# Altium PCB ISS_LAB_PCB.PcbDoc (part 5 of 8)
Units mm, origin at the board's own origin, x right, y up, seen from the top; angles counter-clockwise.
Board outline 247.67 x 135.97 mm, 2 copper layers (Top Layer, Bottom Layer); 165 components, 0 nets, 6045 pads, 3214 vias.
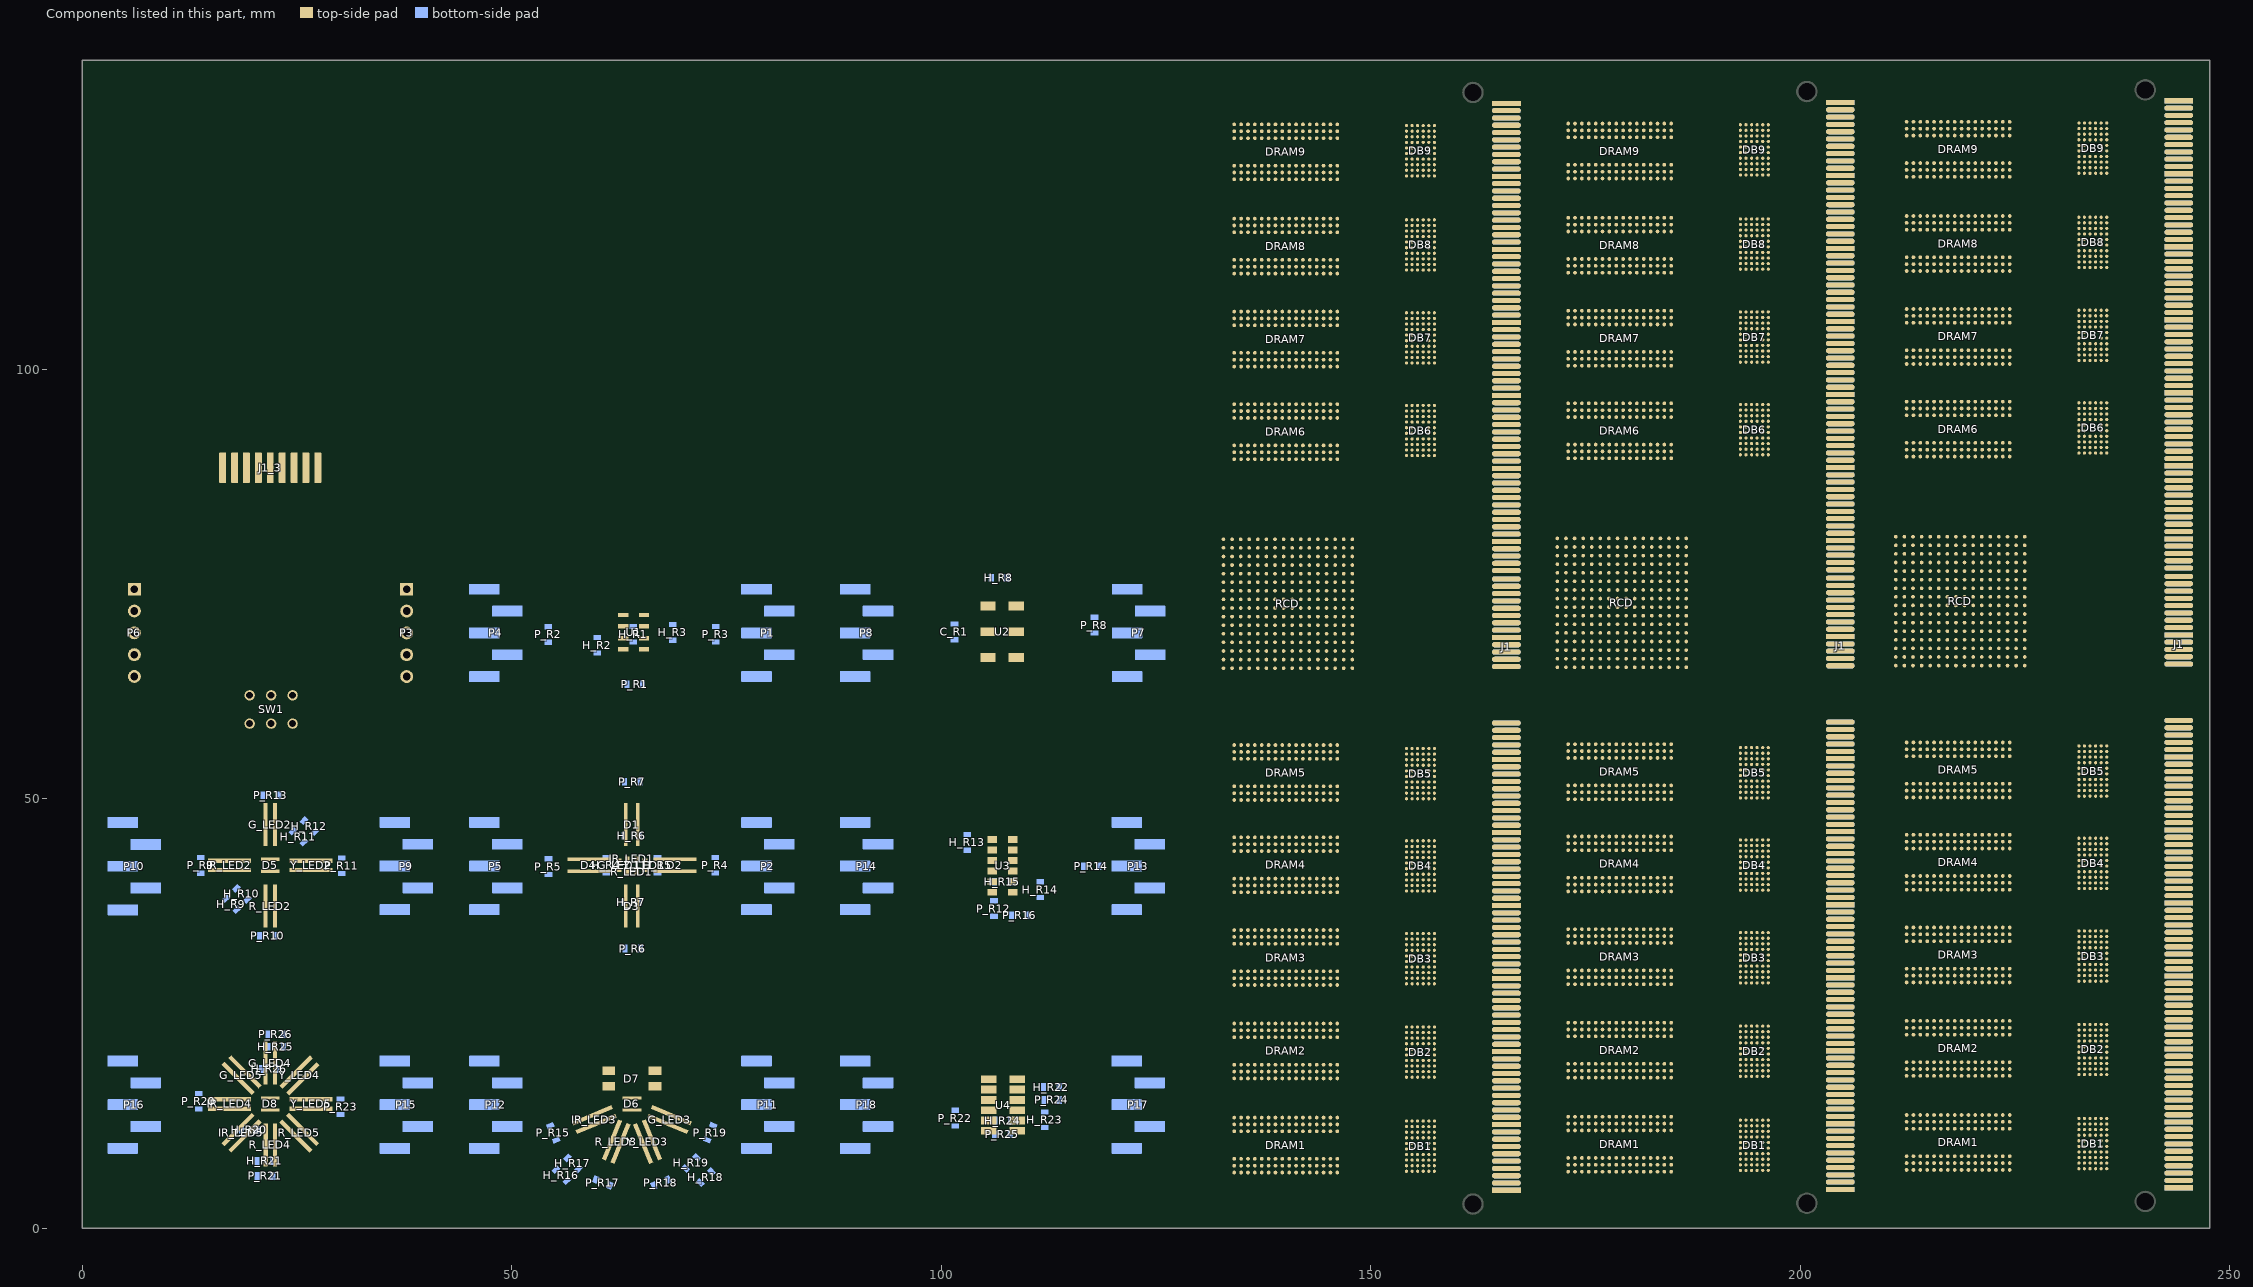
[diagram p5: the components of this part, seen from the top]

## Via types
v1: diameter 0.45, hole 0.203, Top Layer to Bottom Layer, 2685 vias
v2: diameter 1, hole 0.6, Top Layer to Bottom Layer, tented both sides, 414 vias
v3: diameter 0.6, hole 0.3, Top Layer to Bottom Layer, 52 vias
v4: diameter 0.6, hole 0.3, Top Layer to Bottom Layer, tented top, 33 vias
v5: diameter 0.8, hole 0.4, Top Layer to Bottom Layer, 21 vias
v6: diameter 3.5, hole 3.1, Top Layer to Bottom Layer, 3 vias
v7: diameter 2, hole 1.6, Top Layer to Bottom Layer, 3 vias
v8: diameter 1, hole 0.5, Top Layer to Bottom Layer, 3 vias

## Nets (pads, with @x,y where several pads share a name; then routed paths per layer and width w, separated by ;. In a path a pad name is that pad's centre, name@x,y a point inside that pad or via, vN(x,y) a via of type N, cw(c..) or ccw(c..) an arc to the next point about the centre after c; other vN are vias at no path point) (continued)
copper on no net: (continued)
  Top Layer w0.089: 186.731,70.29 187.445,70.29 v1(194.154,63.581) ; 186.731,71.29 187.073,71.632 189.048,71.632 194.059,76.643 204.67,76.643 ; 186.731,72.29 187.421,72.29 v1(187.449,72.318) ; 186.731,73.29 187.151,73.29 187.423,73.563 187.423,73.715 v1(187.449,73.741) ; 186.731,74.29 187.373,74.932 187.373,75.519 v1(187.398,75.544) ; 186.731,75.29 186.731,75.715 187.347,76.331 187.347,77.5 v1(187.322,77.525) ; v1(186.915,9.047) 187.295,8.667 193.038,8.667 ; v1(186.915,19.994) 187.291,19.619 193.038,19.619 ; v1(186.915,22.89) 186.936,22.869 193.038,22.869 ; v1(186.941,41.787) 187.437,41.291 193.038,41.291 ; v1(186.941,52.481) 187.388,52.034 193.038,52.034 ; v1(186.941,128.122) 192.717,128.122 193.038,127.801 ; v1(186.966,23.55) 186.997,23.519 193.038,23.519 ; v1(186.966,30.916) 187.386,30.496 193.038,30.496 ; v1(186.966,33.736) 186.971,33.741 193.033,33.741 193.038,33.746 ; v1(186.966,102.925) 187.132,102.759 193.038,102.759 ; v1(186.966,124.541) 186.977,124.551 193.038,124.551 ; v1(186.966,128.757) 187.272,128.451 193.038,128.451 ; v1(186.992,34.421) 187.004,34.409 193.025,34.409 193.038,34.396 ; v1(186.992,55.275) 186.996,55.279 193.033,55.279 193.038,55.284 ; v1(186.992,55.935) 186.993,55.934 193.038,55.934 ; v1(186.992,95.254) 187.004,95.242 193.025,95.242 193.038,95.229 ; v1(186.992,95.889) 187.002,95.879 193.038,95.879 ; v1(186.992,105.973) 187.027,106.009 193.038,106.009 ; v1(186.992,113.593) 187.001,113.584 193.038,113.584 ; v1(186.992,117.022) 187.18,116.834 193.038,116.834 ; v1(187.017,117.606) 187.139,117.484 193.038,117.484 ; v1(187.042,92.079) 187.143,91.979 193.038,91.979 ; v1(187.042,106.634) 187.055,106.646 193.025,106.646 193.038,106.659 ; v1(187.068,44.165) v1@187.093,44.19 ; v1(187.119,116.006) 187.14,116.006 187.318,116.184 193.038,116.184 ; v1(187.195,94.365) 187.408,94.579 193.038,94.579 ; v1(187.22,105.16) 187.419,105.359 193.038,105.359 ; v1(187.296,126.979) 187.468,127.151 193.038,127.151 ; v1(187.423,11.282) 187.438,11.267 193.038,11.267 ; v1(187.5,43.743) 187.561,43.743 187.709,43.891 193.038,43.891 ; v1(187.5,115.549) 187.515,115.534 193.038,115.534 ; v1(187.55,104.729) 187.57,104.709 193.038,104.709 ; v1(187.576,54.36) 187.849,54.634 193.038,54.634 ; v1(187.576,93.934) 187.58,93.929 193.038,93.929 ; v1(187.703,126.496) 187.707,126.501 193.038,126.501 ; v1(187.728,32.923) 187.901,33.096 193.038,33.096 ; v1(187.804,21.772) 188.251,22.219 193.038,22.219 ; v1(187.931,53.954) 187.961,53.984 193.038,53.984 ; v1(187.957,43.286) 187.979,43.264 193.015,43.264 193.038,43.241 ; v1(188.109,32.415) 188.125,32.43 193.022,32.43 193.038,32.446 ; v1(188.16,21.29) 188.439,21.569 193.038,21.569 ; v1(188.389,76.052) 194.08,81.743 204.67,81.743 ; v1(188.414,72.445) 194.312,78.343 204.67,78.343 ; v1(188.414,77.017) 193.99,82.593 204.67,82.593 ; v1(188.439,79.811) 193.545,84.917 199.895,84.917 200.121,85.143 204.67,85.143 ; v1(188.465,74.249) 194.259,80.043 204.67,80.043 ; v1(188.465,78.084) 193.824,83.443 204.67,83.443 ; v1(188.465,80.954) 192.58,85.069 198.523,85.069 199.447,85.993 204.67,85.993 ; v1(188.541,82.173) 192.46,86.092 197.262,86.092 198.013,86.843 204.67,86.843 ; v1(188.77,10.418) 188.968,10.617 193.038,10.617 ; v1(189.557,11.942) 189.582,11.917 193.038,11.917 ; v1(190.675,12.577) 190.685,12.567 193.038,12.567 ; v1(191.386,114.889) 191.39,114.884 193.038,114.884 ; v1(191.411,104.068) 191.42,104.059 193.038,104.059 ; v1(191.437,125.861) 191.447,125.851 193.038,125.851 ; v1(191.462,93.299) 191.482,93.279 193.038,93.279 ; v1(191.538,42.626) 191.555,42.608 193.021,42.608 193.038,42.591 ; v1(191.589,20.909) 191.599,20.919 193.038,20.919 ; v1(191.614,31.805) 191.624,31.796 193.038,31.796 ; v1(191.64,10.012) 191.685,9.967 193.038,9.967 ; v1(191.64,53.37) 191.658,53.352 193.02,53.352 193.038,53.334 ; v1(192.275,13.619) 192.935,12.958 193.239,12.958 193.281,12.917 193.338,12.917 193.688,12.567 ; v1(192.3,24.541) 192.91,23.931 193.276,23.931 193.688,23.519 ; v1(192.402,35.387) 192.402,35.082 192.707,34.777 193.307,34.777 193.688,34.396 ; v1(192.402,46.156) 192.798,45.76 193.119,45.76 193.688,45.191 ; v1(192.478,56.951) 192.478,56.519 192.63,56.367 193.255,56.367 193.688,55.934 ; v1(192.605,107.65) 192.605,107.345 192.808,107.142 193.088,107.142 193.57,106.659 193.688,106.659 ; v1@192.605,118.622 192.605,118.567 193.688,117.484 ; v1(192.656,96.982) 192.656,96.55 192.884,96.321 193.291,96.321 193.688,95.924 193.688,95.879 ; v1(192.859,129.443) 192.859,129.113 193.062,128.909 193.392,128.909 193.688,128.614 193.688,128.451 ; v1(193.469,13.619) 194.338,12.749 194.338,12.567 ; v1(193.507,46.401) 193.507,46.167 193.94,45.734 194.094,45.734 194.338,45.49 194.338,45.191 ; v1(193.519,24.592) 194.338,23.773 194.338,23.519 ; v1(193.57,35.387) 194.338,34.619 194.338,34.396 ; 193.596,56.977 193.596,56.949 194.338,56.207 194.338,55.934 ; v1(193.723,107.65) 194.338,107.034 194.338,106.659 ; v1@193.748,118.648 194.338,118.058 194.338,117.484 ; v1@193.799,96.956 194.338,96.417 194.338,95.879 ; v1(194.027,129.443) 194.338,129.132 194.338,128.451 ; v1(194.154,103.687) 194.561,103.687 194.815,103.941 194.815,104.398 194.932,104.515 194.932,104.653 194.988,104.709 ; v1(194.225,93.068) 194.411,93.068 194.39,93.089 194.911,93.61 194.911,93.792 195.018,93.899 194.988,93.929 ; v1(194.231,20.578) 194.561,20.578 194.672,20.69 194.672,21.225 194.905,21.457 194.928,21.457 194.988,21.518 194.988,21.569 ; v1(194.358,9.606) 194.358,9.656 194.749,10.047 194.749,10.176 194.981,10.408 194.988,10.408 194.988,10.617 ; v1(194.459,114.152) 194.815,114.508 195.364,114.508 195.638,114.234 ; v1(194.491,41.813) 194.535,41.813 194.887,42.164 195.415,42.164 195.638,41.941 ; v1(194.51,31.035) 194.51,31.069 194.81,31.369 195.415,31.369 195.638,31.146 ; v1(194.51,92.537) 194.79,92.817 195.373,92.817 195.561,92.629 195.638,92.629 ; v1(194.535,125.099) 194.916,125.48 195.359,125.48 195.638,125.201 ; v1(194.561,103.306) 194.967,103.713 195.334,103.713 195.638,103.409 ; v1(194.586,13.619) 194.988,13.217 194.988,12.567 ; v1(194.637,9.123) 194.896,9.123 194.981,9.039 195.266,9.039 195.638,8.667 ; v1@194.637,46.131 194.988,45.78 194.988,45.191 ; v1(194.739,24.592) 194.988,24.342 194.988,23.519 ; v1(194.739,35.412) 195.023,35.127 195.023,34.432 194.988,34.396 ; v1(194.775,56.913) 194.775,56.889 194.988,56.676 194.988,55.934 ; v1@194.866,118.648 194.988,118.525 194.988,117.484 ; v1(194.875,32.408) 194.875,32.235 194.893,32.217 194.932,32.217 194.932,32.39 v1@194.988,32.446 ; v1(194.875,94.513) 194.875,94.35 194.817,94.408 v1@194.988,94.579 ; v1(194.891,107.65) 194.935,107.606 194.935,106.712 194.988,106.659 ; v1(194.967,52.582) 195.09,52.582 195.638,52.034 ; 194.981,126.494 194.988,126.501 ; 194.988,6.717 195.018,6.687 v1(195.018,4.932) ; 194.988,17.669 194.988,16.417 v1(197.329,14.076) ; 194.988,28.546 194.988,27.263 v1(197.075,25.176) ; 194.988,39.341 194.988,38.134 v1(197.101,36.022) ; 194.988,50.084 194.988,49.056 v1@196.999,47.045 ; 194.988,90.029 194.988,88.63 v1@197.126,86.491 ; 194.988,95.879 194.988,97.002 v1(194.993,97.007) ; 194.988,100.809 194.988,99.882 v1(197.304,97.566) ; 194.988,111.634 194.988,110.499 v1(197.253,108.234) ; 194.988,122.601 194.988,121.497 v1(197.202,119.283) ; 194.988,128.451 194.988,129.235 195.17,129.417 195.17,129.443 v1@195.196,129.468 ; v1(195.065,41.864) 195.638,41.291 ; v1(195.069,21.027) 195.177,20.919 195.638,20.919 ; v1(195.069,114.914) 195.099,114.884 195.638,114.884 ; v1@195.07,114.152 195.638,113.584 ; v1(195.075,93.213) 195.141,93.279 195.638,93.279 ; v1(195.094,103.306) 195.638,102.762 195.638,102.759 ; v1(195.094,125.099) 195.638,124.556 195.638,124.551 ; v1(195.12,53.395) 195.181,53.334 195.638,53.334 ; v1(195.12,104.144) 195.205,104.059 195.638,104.059 ; v1(195.12,125.963) 195.221,126.065 195.399,126.065 195.613,125.851 195.638,125.851 ; v1(195.145,9.435) 195.382,9.435 195.451,9.504 195.638,9.317 ; v1(195.145,10.012) 195.19,9.967 195.638,9.967 ; v1(195.272,31.822) 195.595,31.822 195.603,31.831 195.638,31.796 ; v1(195.297,42.643) 195.349,42.591 195.638,42.591 ; v1(195.525,92.092) 195.525,92.055 195.601,91.979 v1@195.638,91.979 ; v1(195.526,19.58) 195.526,19.731 v1@195.638,19.619 ; v1(195.526,30.603) 195.458,30.603 195.565,30.496 v1@195.638,30.496 ; 195.638,6.717 195.642,6.717 195.642,5.883 v1(197.202,4.322) ; 195.638,12.567 195.638,13.528 v1(195.755,13.644) ; 195.638,17.669 195.638,17.037 v1(197.304,15.371) ; 195.638,23.519 195.638,24.399 v1(195.882,24.642) ; 195.638,28.546 195.638,27.934 v1(197.05,26.522) ; 195.638,34.396 195.894,34.652 v1(195.894,35.656) ; 195.638,39.341 195.638,38.805 v1(197.05,37.393) ; 195.638,45.191 195.638,45.271 195.79,45.423 195.79,46.044 195.755,46.08 v1(195.755,46.156) ; 195.638,50.084 195.638,49.473 v1(196.923,48.188) ; 195.638,55.934 195.781,56.077 v1(195.781,56.951) ; 195.638,90.029 195.638,89.326 v1(197.101,87.863) ; 195.638,95.879 195.638,96.408 v1@196.186,96.956 ; 195.638,100.809 195.638,100.729 195.79,100.577 195.79,100.248 v1(197.279,98.76) ; 195.638,106.659 196.059,107.08 v1(196.059,107.65) ; 195.638,111.634 195.638,111.068 v1(197.228,109.478) ; 195.638,117.484 196.009,117.855 v1@196.009,118.648 ; 195.638,122.601 195.638,122.016 v1(197.177,120.477) ; 195.638,128.451 196.364,129.177 v1(196.364,129.443) v1@196.364,129.468 ; 196.288,6.717 198.503,4.502 204.67,4.502 ; 196.288,7.367 196.288,7.356 198.574,5.07 v1(198.574,5.059) ; 196.288,8.017 198.953,5.352 204.67,5.352 ; 196.288,8.667 196.325,8.667 198.536,6.456 v1(198.574,6.456) ; 196.288,9.317 199.403,6.202 204.67,6.202 ; 196.288,9.967 196.31,9.967 198.552,7.726 v1(198.574,7.726) ; 196.288,10.617 199.853,7.052 204.67,7.052 ; 196.288,11.267 198.559,8.996 v1(198.574,8.996) ; 196.288,11.917 196.898,11.917 v1(197.329,11.485) ; 196.288,12.567 v1(196.288,13.644) ; 196.288,17.669 198.405,15.552 204.67,15.552 ; 196.288,18.318 v1(198.599,16.006) ; 196.288,18.969 198.855,16.402 204.67,16.402 ; 196.288,19.619 196.288,19.588 v1(198.599,17.276) ; 196.288,20.269 199.305,17.252 204.67,17.252 ; 196.288,20.919 198.599,18.608 v1(198.599,18.597) ; 196.288,21.569 199.755,18.102 204.67,18.102 ; 196.288,22.219 198.564,19.943 v1(198.574,19.943) ; 196.288,22.869 196.724,22.433 v1(197.304,22.433) ; 196.288,23.519 196.288,24.541 v1(196.415,24.668) ; 196.288,28.546 198.232,26.602 204.67,26.602 ; 196.288,29.196 198.327,27.157 v1(198.371,27.157) ; 196.288,29.846 198.682,27.452 204.67,27.452 ; 196.288,30.496 198.345,28.439 v1(198.345,28.376) ; 196.288,31.146 199.132,28.302 204.67,28.302 ; 196.288,31.796 196.288,31.729 v1(198.295,29.722) ; 196.288,32.446 199.582,29.152 204.67,29.152 ; 196.288,33.096 198.29,31.094 v1(198.295,31.094) ; 196.288,33.746 196.832,33.202 v1(197.355,33.202) ; 196.288,34.396 196.466,34.574 v1(196.466,35.412) ; 196.288,39.341 197.977,37.652 204.67,37.652 ; 196.288,39.991 198.175,38.104 v1(198.218,38.104) ; 196.288,40.641 198.427,38.502 204.67,38.502 ; 196.288,41.291 196.288,41.254 v1(198.269,39.273) ; 196.288,41.941 198.877,39.352 204.67,39.352 ; 196.288,42.591 198.285,40.594 v1(198.295,40.594) ; 196.288,43.241 199.327,40.202 204.67,40.202 ; 196.288,43.891 198.295,41.884 v1(198.295,41.864) ; 196.288,44.541 196.756,44.073 v1(197.355,44.073) ; 196.288,45.191 196.301,45.204 196.301,46.144 v1(196.313,46.156) ; 196.288,50.084 197.67,48.702 204.67,48.702 ; 196.288,50.734 197.894,49.128 v1(197.964,49.128) ; 196.288,51.384 198.12,49.552 204.67,49.552 ; 196.288,52.034 197.99,50.332 v1(197.99,50.322) ; 196.288,52.684 198.57,50.402 204.67,50.402 ; 196.288,53.334 197.954,51.668 v1(198.015,51.668) ; 196.288,53.984 199.02,51.252 204.67,51.252 ; 196.288,54.634 197.984,52.938 v1(198.015,52.938) ; 196.288,55.284 196.704,54.868 v1(197.228,54.868) ; 196.288,55.934 196.375,56.021 v1(196.375,56.913) ; 196.288,90.029 198.624,87.693 204.67,87.693 ; 196.288,91.329 199.074,88.543 204.67,88.543 ; 196.288,91.978 v1(198.345,89.92) ; 196.288,92.629 199.524,89.393 204.67,89.393 ; 196.288,93.279 198.32,91.247 v1(198.32,91.241) ; 196.288,93.929 199.974,90.243 204.67,90.243 ; 196.288,94.579 198.432,92.435 v1(198.447,92.435) ; 196.288,95.229 196.618,94.899 v1(197.253,94.899) ; 196.288,95.879 196.288,96.55 v1(196.72,96.982) ; 196.288,100.809 198.354,98.743 204.67,98.743 ; 196.288,101.459 198.251,99.496 v1@198.295,99.496 ; 196.288,102.109 198.804,99.593 204.67,99.593 ; 196.288,102.759 198.32,100.727 v1(198.32,100.715) ; 196.288,103.409 199.254,100.443 204.67,100.443 ; 196.288,104.059 198.311,102.036 v1(198.32,102.036) ; 196.288,104.709 199.704,101.293 204.67,101.293 ; 196.288,105.359 198.315,103.332 v1(198.345,103.332) ; 196.288,106.009 196.862,106.009 v1(197.253,105.618) ; 196.288,106.659 196.618,106.989 v1(196.618,107.65) ; 196.288,111.634 198.129,109.793 204.67,109.793 ; 196.288,112.284 198.218,110.354 v1(198.218,110.342) ; 196.288,112.934 198.579,110.643 204.67,110.643 ; 196.288,113.584 198.235,111.637 v1(198.244,111.637) ; 196.288,114.234 199.029,111.493 204.67,111.493 ; 196.288,114.884 198.218,112.954 v1(198.218,112.933) ; 196.288,115.534 199.479,112.343 204.67,112.343 ; 196.288,116.184 v1(198.244,114.228) ; 196.288,116.834 196.659,116.463 v1(197.253,116.463) ; 196.288,117.484 196.567,117.763 v1(196.567,118.673) ; 196.288,122.601 198.046,120.843 204.67,120.843 ; 196.288,123.251 198.097,121.442 v1(198.117,121.442) ; 196.288,123.901 198.496,121.693 204.67,121.693 ; 196.288,124.551 198.117,122.722 v1(198.117,122.712) ; 196.288,125.201 198.946,122.543 204.67,122.543 ; 196.288,125.851 198.066,124.073 v1(198.066,124.033) ; 196.288,126.501 199.396,123.393 204.67,123.393 ; 196.288,127.151 196.288,127.106 v1(198.066,125.328) ; 196.288,127.801 197.015,127.801 v1(197.304,127.512) ; 196.288,128.451 196.948,129.111 v1(196.948,129.443) ; 196.317,90.679 196.288,90.679 198.367,88.6 v1(198.371,88.6) ; v1(197.228,107.65) v1@197.228,107.7 ; v1(200.276,124.21) 200.292,124.227 204.654,124.227 204.67,124.243 ; v1(200.352,52.151) 200.376,52.126 204.646,52.126 204.67,52.102 ; v1(200.377,102.163) 200.387,102.153 204.66,102.153 204.67,102.143 ; v1(200.403,113.212) 200.412,113.203 204.66,113.203 204.67,113.193 ; v1(200.631,91.114) 204.649,91.114 204.67,91.093 ; v1@200.734,41.051 204.669,41.051 ; v1(200.733,125.074) 200.743,125.084 204.66,125.084 204.67,125.093 ; v1(200.733,125.938) 200.736,125.94 204.667,125.94 204.67,125.943 ; v1(200.758,127.639) 200.76,127.641 204.668,127.641 204.67,127.643 ; v1(200.885,103.027) 200.902,103.01 204.653,103.01 204.67,102.993 ; v1(200.885,114.025) 204.652,114.025 204.67,114.043 ; v1(200.911,103.84) 200.913,103.841 204.668,103.841 204.67,103.843 ; v1(200.911,114.889) 200.913,114.891 204.668,114.891 204.67,114.893 ; v1(200.936,29.951) 200.962,29.977 204.644,29.977 204.67,30.002 ; v1(200.936,105.516) 204.643,105.516 204.67,105.543 ; v1(200.936,116.565) 200.95,116.579 204.656,116.579 204.67,116.593 ; v1(201.038,18.927) 201.062,18.952 204.67,18.952 ; v1(201.114,7.853) 201.139,7.878 204.645,7.878 204.67,7.902 ; v1(201.241,91.952) 201.246,91.948 204.665,91.948 204.67,91.943 ; v1(201.241,94.467) 201.254,94.48 204.657,94.48 204.67,94.493 ; v1@201.266,52.963 201.272,52.958 204.664,52.958 204.67,52.952 ; v1(201.266,53.827) 201.279,53.815 204.658,53.815 204.67,53.802 ; v1(201.266,92.841) 201.291,92.817 204.646,92.817 204.67,92.793 ; v1@201.318,55.503 204.669,55.503 ; v1(201.368,44.454) 201.369,44.453 204.669,44.453 204.67,44.452 ; v1(201.393,41.914) 201.4,41.908 204.664,41.908 204.67,41.902 204.632,41.864 204.467,41.864 ; v1(201.393,42.702) 201.419,42.727 204.645,42.727 204.67,42.752 ; v1(201.495,31.729) 204.643,31.729 204.67,31.702 ; v1(201.495,33.405) 201.498,33.402 204.67,33.402 ; v1(201.52,30.84) 201.526,30.846 204.664,30.846 204.67,30.852 ; v1(201.546,128.503) 201.551,128.498 204.665,128.498 204.67,128.493 ; v1(201.622,117.378) 201.655,117.41 204.637,117.41 204.67,117.443 ; v1(201.647,19.766) 201.666,19.784 204.652,19.784 204.67,19.802 ; v1(201.673,20.578) 204.596,20.578 204.67,20.652 ; v1(201.673,22.356) 201.677,22.352 204.67,22.352 ; v1(201.724,11.282) 201.744,11.302 204.67,11.302 204.66,11.292 ; v1(201.749,8.742) 201.754,8.747 204.665,8.747 204.67,8.752 ; v1(201.749,9.699) 204.573,9.699 204.67,9.602 ; v1(201.749,12.087) 201.749,12.133 201.768,12.152 204.67,12.152 204.664,12.146 ; v1(201.8,56.367) 201.807,56.36 204.663,56.36 204.67,56.352 ; v1(201.825,106.405) 201.831,106.399 204.664,106.399 204.67,106.393 ; v1(201.876,95.356) 201.882,95.35 204.664,95.35 204.67,95.343 ; v1(201.978,45.293) 201.982,45.297 204.665,45.297 204.67,45.302 ; v1(202.105,34.269) 202.113,34.261 204.662,34.261 204.67,34.252 ; v1(202.13,23.169) 202.146,23.186 204.654,23.186 204.67,23.202 ; v1(210.212,80.164) 210.212,80.138 210.847,79.503 211.118,79.503 211.131,79.49 ; v1(210.237,81.256) 210.299,81.256 211.065,80.49 211.131,80.49 ; v1(211.177,81.408) 211.213,81.408 212.131,80.49 ; v1(211.177,94.616) 211.18,94.619 212.385,94.619 ; v1(211.202,105.411) 211.215,105.399 212.385,105.399 ; v1(211.202,116.232) 211.21,116.224 212.385,116.224 ; v1(211.228,127.23) 212.346,127.23 212.385,127.191 ; v1(211.279,11.584) 211.291,11.571 212.385,11.571 ; v1(211.279,22.506) 211.287,22.514 212.376,22.514 212.385,22.523 ; v1(211.279,33.377) 211.29,33.388 212.373,33.388 212.385,33.4 ; v1(211.279,44.197) 211.28,44.196 212.384,44.196 212.385,44.195 ; v1(211.634,80.011) 211.634,79.999 212.131,79.502 212.131,79.49 ; v1(211.685,95.429) 211.695,95.419 212.385,95.419 ; v1(211.685,106.224) 211.71,106.199 212.385,106.199 ; v1(211.685,117.019) 211.69,117.024 212.385,117.024 ; v1@211.686,127.991 212.385,127.991 ; v1(211.736,12.346) 211.748,12.358 212.372,12.358 212.385,12.371 ; v1(211.736,23.318) 211.738,23.321 212.383,23.321 212.385,23.323 ; v1(211.736,34.19) 211.741,34.195 212.38,34.195 212.385,34.2 ; v1(211.736,44.985) 211.741,44.99 212.38,44.99 212.385,44.995 ; v1(212.244,81.459) 212.244,81.418 213.131,80.531 213.131,80.49 ; v1(212.345,14.352) 212.775,13.923 212.775,12.805 213.185,12.395 213.185,12.371 ; v1@212.345,25.3 212.775,24.87 212.775,23.676 213.128,23.323 213.185,23.323 ; v1@212.371,36.247 212.777,35.841 212.777,34.608 213.185,34.2 ; v1(212.371,108.18) 212.371,108.104 212.799,107.676 212.799,106.584 213.183,106.199 213.185,106.199 ; v1(212.371,129.998) 212.371,129.846 212.799,129.418 212.799,128.428 213.185,128.041 213.185,127.991 ; 212.385,7.571 210.847,9.109 210.847,17.07 212.3,18.523 212.385,18.523 210.847,20.061 210.847,27.862 212.385,29.4 212.334,29.4 210.882,30.852 210.882,38.692 212.385,40.195 210.872,41.708 210.872,49.425 212.385,50.938 ; 212.385,54.938 212.383,54.94 211.28,54.94 v1(211.279,54.941) 211.279,57.939 218.264,64.924 219.565,64.924 220.131,65.49 ; 212.385,55.738 212.38,55.733 211.74,55.733 v1(211.736,55.729) 211.736,57.989 218.518,64.771 220.169,64.771 220.651,65.254 220.651,65.914 220.131,66.434 220.131,66.49 ; 212.385,123.191 210.72,121.526 210.72,113.889 212.385,112.224 210.806,110.645 210.806,104.295 210.821,104.279 210.821,102.998 212.385,101.435 212.385,101.399 210.821,99.835 210.821,92.183 212.385,90.619 212.361,90.619 211.761,90.019 211.761,88.469 218.695,81.535 218.695,80.164 218.924,79.935 219.661,79.935 220.106,79.49 220.131,79.49 ; v1(212.396,47.093) 212.396,46.61 212.777,46.229 212.777,45.34 213.122,44.995 213.185,44.995 ; v1@212.396,97.41 212.396,97.359 212.799,96.957 212.799,95.814 213.185,95.428 213.185,95.419 ; v1@212.422,119 212.771,118.65 212.771,117.457 213.185,117.043 213.185,117.024 ; v1(212.599,80.011) 212.605,80.011 213.126,79.49 213.131,79.49 ; v1(212.777,5.64) 212.777,7.189 213.159,7.571 213.185,7.571 ; v1(212.777,38.254) 212.777,39.752 213.185,40.16 213.185,40.195 ; v1(212.777,43.461) 212.777,43.787 213.185,44.195 ; v1(212.777,93.93) 212.803,93.956 212.803,94.261 213.161,94.619 213.185,94.619 ; v1(212.777,110.161) 212.777,111.812 213.185,112.22 213.185,112.224 ; v1(212.777,121.108) 212.777,122.785 213.183,123.191 213.185,123.191 ; v1(212.803,10.745) 213.185,11.128 213.185,11.571 ; v1(212.803,16.511) 212.803,17.559 212.799,17.563 212.799,17.883 212.803,17.887 212.803,18.188 213.138,18.523 213.185,18.523 ; v1(212.803,21.769) 212.803,22.141 213.185,22.523 ; v1(212.803,27.306) 